# Altium PCB PROB_S7CAS_PCB.PcbDoc (part 4 of 6) (continued)
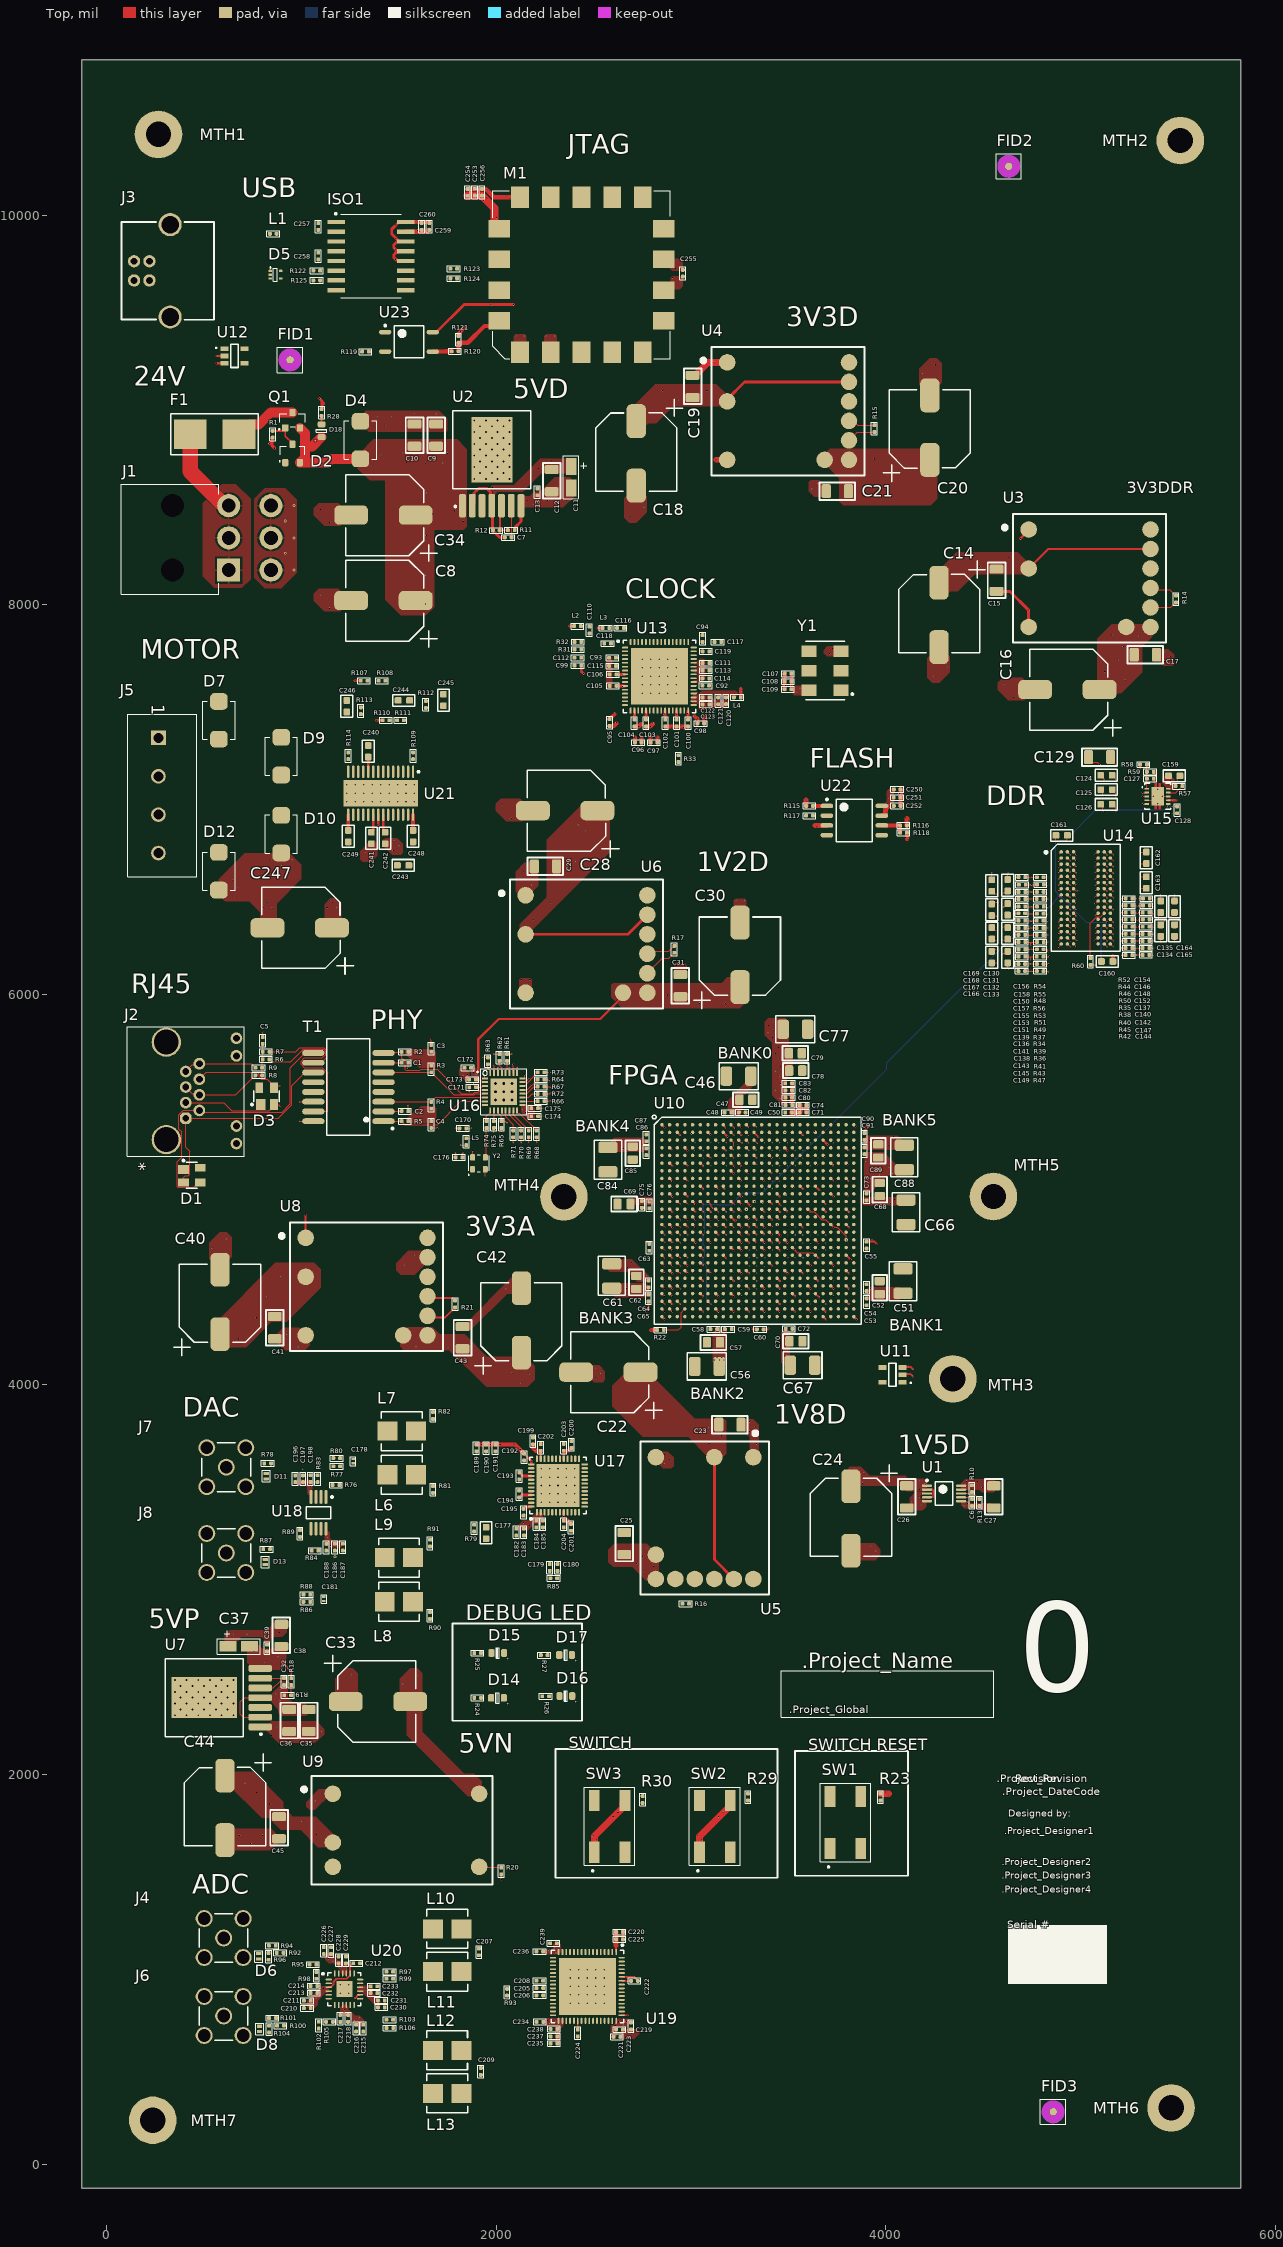
[diagram p0: Top view]
## Nets (pads, with @x,y where several pads share a name; then routed paths per layer and width w, separated by ;. In a path a pad name is that pad's centre, name@x,y a point inside that pad or via, vN(x,y) a via of type N, cw(c..) or ccw(c..) an arc to the next point about the centre after c; other vN are vias at no path point) (continued)
DDR3_DQ1: U10.Y1 U14.F7 | length 3851.6
  Top w4: U10.Y1@2850.68,4584.88 v1(2864.97,4570.63) ; v1(5073.92,6561.83) 5074.28,6561.83 5087.86,6575.41 U14.F7@5088.22,6575.41
  Data 4 w4: v1(2864.97,4570.63) 2864.97,4593.77 2832.68,4626.07 2832.68,4643.64 2804.5,4671.82 2804.5,5058.56 4214.3,6468.36 4215.72,6469.77 4215.72,6479.96 4211.76,6483.92 4211.76,6494.1 4218.54,6500.89 4228.73,6500.89 4246.83,6482.79 4257.01,6482.79 4263.8,6489.57 4263.8,6499.76 4245.7,6517.86 4245.7,6528.04 4252.48,6534.83 4262.67,6534.83 4280.77,6516.73 4290.95,6516.73 4297.74,6523.51 4297.74,6533.7 4279.64,6551.8 4279.64,6561.98 4286.43,6568.77 4296.61,6568.77 4314.71,6550.67 4324.89,6550.67 4331.68,6557.46 4331.68,6567.64 4313.58,6585.74 4313.58,6595.92 4320.37,6602.71 4330.55,6602.71 4348.65,6584.61 4358.83,6584.61 4365.62,6591.4 4365.62,6601.58 4347.52,6619.68 4347.52,6629.86 4354.31,6636.65 4364.49,6636.65 4368.45,6632.69 4378.63,6632.69 4392.24,6646.3 4401.58,6655.64 4753.7,6655.64 4762.87,6664.82 4989.89,6664.82 5038.38,6616.33 5075.13,6616.33 5089.42,6602.03 5089.42,6577.33 v1(5073.92,6561.83)
DDR3_DQ2: U10.W2 U14.F2 | length 3886.7
  Top w4: U10.W2@2890.05,4624.25 2890.05,4624.05 2903.91,4610.2 v1(2903.91,4610) ; U14.F2@4930.78,6575.41 v1@4945.03,6561.16
  Data 3 w4: v1(2903.91,4610) 2912.3,4601.6 3154.34,4601.6 3154.45,4601.5 3395.67,4601.5 3413.25,4619.08 3486.56,4619.08 3820.96,4953.48 3820.96,4969.46 3949.89,5098.39 4021.39,5098.39 4022.38,5099.38 4040.77,5117.77 4050.95,5117.77 4053.77,5114.94 4063.96,5114.94 4070.75,5121.73 4070.75,5131.91 4056.39,5146.27 4056.39,5156.45 4063.17,5163.24 4073.36,5163.24 4087.72,5148.88 4097.9,5148.88 4104.69,5155.67 4104.69,5165.85 4090.33,5180.21 4090.33,5190.4 4097.12,5197.18 4107.3,5197.18 4121.66,5182.83 4131.84,5182.83 4138.63,5189.61 4138.63,5199.8 4124.27,5214.15 4124.27,5224.34 4131.06,5231.13 4141.24,5231.13 4155.6,5216.77 4165.78,5216.77 4172.57,5223.55 4172.57,5233.74 4168.82,5237.49 4168.82,5247.67 4175.6,5254.46 4185.79,5254.46 4189.54,5250.71 4199.72,5250.71 4206.51,5257.5 4206.51,5267.68 4202.76,5271.43 4202.76,5281.61 4209.55,5288.4 4219.73,5288.4 4223.48,5284.65 4233.66,5284.65 4240.45,5291.44 4240.45,5301.62 4236.7,5305.37 4236.7,5315.55 4243.49,5322.34 4253.67,5322.34 4257.42,5318.59 4267.6,5318.59 4274.39,5325.38 4274.39,5335.56 4270.64,5339.31 4270.64,5349.49 4277.43,5356.28 4287.61,5356.28 4291.36,5352.53 4301.54,5352.53 4308.33,5359.32 4308.33,5369.5 4304.58,5373.25 4304.58,5383.44 4311.37,5390.22 4321.55,5390.22 4325.3,5386.47 4335.49,5386.47 4342.27,5393.26 4342.27,5403.44 4338.52,5407.19 4338.52,5417.38 4345.31,5424.17 4355.49,5424.17 4359.24,5420.41 4369.43,5420.41 4376.22,5427.2 4376.22,5437.38 4372.46,5441.14 4372.46,5451.32 4379.25,5458.11 4389.43,5458.11 4393.19,5454.35 4403.37,5454.35 4410.16,5461.14 4410.16,5471.32 4406.4,5475.08 4406.4,5485.26 4413.19,5492.05 4423.37,5492.05 4427.13,5488.29 4437.31,5488.29 4444.1,5495.08 4444.1,5505.27 4440.35,5509.02 4440.35,5519.2 4447.13,5525.99 4457.32,5525.99 4461.07,5522.24 4471.25,5522.24 4478.04,5529.02 4478.04,5539.21 4474.29,5542.96 4474.29,5553.14 4481.07,5559.93 4491.26,5559.93 4495.01,5556.18 4505.19,5556.18 4511.98,5562.97 4511.98,5573.15 4508.23,5576.9 4508.23,5587.08 4515.02,5593.87 4525.2,5593.87 4528.95,5590.12 4539.13,5590.12 4545.92,5596.91 4545.92,5607.09 4542.17,5610.84 4542.17,5621.02 4548.96,5627.81 4559.14,5627.81 4562.89,5624.06 4573.07,5624.06 4579.86,5630.85 4579.86,5641.03 4576.11,5644.78 4576.11,5654.96 4582.9,5661.75 4593.08,5661.75 4596.83,5658 4607.01,5658 4613.8,5664.79 4613.8,5674.97 4610.05,5678.72 4610.05,5688.91 4616.84,5695.69 4627.02,5695.69 4630.77,5691.94 4640.96,5691.94 4647.74,5698.73 4647.74,5708.91 4643.99,5712.66 4643.99,5722.85 4650.78,5729.64 4660.96,5729.64 4664.71,5725.88 4674.9,5725.88 4681.69,5732.67 4681.69,5742.85 4677.93,5746.61 4677.93,5756.79 4684.72,5763.58 4694.9,5763.58 4698.66,5759.82 4708.84,5759.82 4715.63,5766.61 4715.63,5776.79 4711.87,5780.55 4711.87,5790.73 4718.66,5797.52 4728.84,5797.52 4732.6,5793.77 4742.78,5793.77 4749.57,5800.55 4749.57,5810.74 4746.74,5813.56 4746.74,5823.74 4754.1,5831.1 5020,6097 5020,6486.22 4985.72,6520.5 4983.6,6520.5 4975.07,6529.04 4975.07,6536.09 4983.57,6544.59 4983.57,6545.99 4985.07,6547.49 4985.07,6564.68 4980.09,6569.66 4967.23,6569.66 4958.73,6561.16 v1(4945.07,6561.16)
DDR3_DQ3: U10.W1 U14.F8 | length 3883.4
  Top w4: U10.W1@2850.68,4624.25 v1(2865.01,4610) ; U14.F8@5119.76,6575.41 v1(5134.05,6561.16)
  Data 4 w4: v1(2865.01,4610) 2865.01,4625.95 2832.87,4658.1 2832.87,4673.24 2814.51,4691.6 2814.51,4883.63 2895.88,4965 2895.88,4983.18 3168.46,5255.76 3168.46,5354.11 4027.73,6213.38 4029.14,6214.79 4029.14,6224.98 4025.18,6228.94 4025.18,6239.12 4031.97,6245.91 4042.15,6245.91 4060.26,6227.81 4070.44,6227.81 4077.23,6234.59 4077.23,6244.78 4059.13,6262.88 4059.13,6273.06 4065.91,6279.85 4076.1,6279.85 4094.2,6261.75 4104.38,6261.75 4111.17,6268.53 4111.17,6278.72 4093.07,6296.82 4093.07,6307 4099.85,6313.79 4110.04,6313.79 4128.14,6295.69 4138.32,6295.69 4145.11,6302.48 4145.11,6312.66 4127.01,6330.76 4127.01,6340.94 4133.8,6347.73 4143.98,6347.73 4162.08,6329.63 4172.26,6329.63 4179.05,6336.42 4179.05,6346.6 4160.95,6364.7 4160.95,6374.88 4167.74,6381.67 4177.92,6381.67 4196.02,6363.57 4206.2,6363.57 4212.99,6370.36 4212.99,6380.54 4197.25,6396.28 4197.25,6406.46 4204.04,6413.25 4214.22,6413.25 4215.82,6411.65 4226,6411.65 4245.16,6430.81 4461.35,6647 4997.81,6647 5042.98,6601.83 5079.73,6601.83 5082.42,6599.13 5082.42,6589.81 5058.12,6565.51 5058.12,6562.2 5066.99,6553.33 5097.91,6553.33 5105.73,6561.16 v1(5134.05,6561.16)
DDR3_DQ4: U10.T3 U14.H3 | length 3862.8
  Top w4: U10.T3@2929.46,4742.36 v1@2943.71,4728.11 ; U14.H3@4962.24,6512.41 4962.24,6512.29 4976.4,6498.12 v1(4976.4,6498)
  Data 3 w4: v1(2943.75,4728.11) 3031.79,4640.08 3434.25,4640.08 3726.32,4932.15 3728.31,4932.15 4470.08,5673.92 4471.5,5675.34 4471.5,5685.52 4467.54,5689.48 4467.54,5699.66 4474.33,5706.45 4484.51,5706.45 4502.61,5688.35 4512.79,5688.35 4519.58,5695.14 4519.58,5705.32 4501.48,5723.42 4501.48,5733.6 4508.27,5740.39 4518.45,5740.39 4536.55,5722.29 4546.74,5722.29 4553.52,5729.08 4553.52,5739.26 4535.42,5757.36 4535.42,5767.55 4542.21,5774.33 4552.39,5774.33 4570.49,5756.23 4580.68,5756.23 4587.46,5763.02 4587.46,5773.2 4569.36,5791.3 4569.36,5801.49 4576.15,5808.28 4586.33,5808.28 4604.44,5790.17 4614.62,5790.17 4621.41,5796.96 4621.41,5807.14 4603.3,5825.25 4603.3,5835.43 4610.09,5842.22 4620.27,5842.22 4638.38,5824.11 4648.56,5824.11 4655.35,5830.9 4655.35,5841.09 4637.25,5859.19 4637.25,5869.37 4644.03,5876.16 4654.22,5876.16 4672.32,5858.06 4682.5,5858.06 4689.29,5864.84 4689.29,5875.03 4671.19,5893.13 4671.19,5903.31 4677.97,5910.1 4688.16,5910.1 4706.26,5892 4716.44,5892 4723.23,5898.79 4723.23,5908.97 4705.13,5927.07 4705.13,5937.25 4711.92,5944.04 4722.1,5944.04 4740.2,5925.94 4750.38,5925.94 4757.17,5932.73 4757.17,5942.91 4739.07,5961.01 4739.07,5971.19 4745.86,5977.98 4756.04,5977.98 4774.14,5959.88 4784.32,5959.88 4791.11,5966.67 4791.11,5976.85 4773.01,5994.95 4773.01,6005.13 4779.8,6011.92 4789.98,6011.92 4808.08,5993.82 4818.26,5993.82 4825.05,6000.61 4825.05,6010.79 4806.95,6028.89 4806.95,6039.08 4813.74,6045.86 4823.92,6045.86 4842.02,6027.76 4852.21,6027.76 4858.99,6034.55 4858.99,6044.73 4840.89,6062.83 4840.89,6073.02 4847.68,6079.8 4857.86,6079.8 4875.96,6061.7 4886.15,6061.7 4892.94,6068.49 4892.94,6078.67 4875.52,6096.09 4875.52,6106.27 4882.31,6113.06 4892.49,6113.06 4895.76,6109.79 4905.95,6109.79 4923.33,6127.17 4935.89,6139.73 4935.89,6143.97 4999,6207.07 4999,6456.25 4976.57,6478.69 4976.57,6497.84 v1(4976.4,6498)
DDR3_DQ5: U10.T1 U14.H8 | length 3819
  Top w4: U10.T1@2850.68,4742.36 2852.44,4742.36 2864.2,4730.6 v1(2865.01,4730.6) ; U14.H8@5119.76,6512.41 v1(5134.05,6498.16)
  Data 4 w4: v1(2865.01,4730.6) 2865.01,4748 2835.51,4777.5 2835.51,4838.68 3087.77,5090.94 3112.26,5090.94 3174,5152.68 3183.49,5152.68 3196.84,5166.03 3196.84,5170.5 3248.19,5221.85 3248.19,5236.44 3282.54,5270.79 3308.22,5270.79 3920.96,5883.52 3922.37,5884.94 3922.37,5895.12 3918.41,5899.08 3918.41,5909.26 3925.2,5916.05 3935.38,5916.05 3953.48,5897.95 3963.67,5897.95 3970.45,5904.74 3970.45,5914.92 3952.35,5933.02 3952.35,5943.2 3959.14,5949.99 3969.32,5949.99 3987.42,5931.89 3997.61,5931.89 4004.39,5938.68 4004.39,5948.86 3986.29,5966.96 3986.29,5977.15 3993.08,5983.93 4003.26,5983.93 4021.37,5965.83 4031.55,5965.83 4038.34,5972.62 4038.34,5982.8 4020.23,6000.9 4020.23,6011.09 4027.02,6017.87 4037.2,6017.87 4055.31,5999.77 4065.49,5999.77 4072.28,6006.56 4072.28,6016.74 4054.17,6034.85 4054.17,6045.03 4060.96,6051.82 4071.15,6051.82 4089.25,6033.71 4099.43,6033.71 4106.22,6040.5 4106.22,6050.68 4088.12,6068.79 4088.12,6078.97 4094.9,6085.76 4105.09,6085.76 4123.19,6067.66 4133.37,6067.66 4140.16,6074.44 4140.16,6084.63 4122.06,6102.73 4122.06,6112.91 4128.85,6119.7 4139.03,6119.7 4157.13,6101.6 4167.31,6101.6 4174.1,6108.38 4174.1,6118.57 4156,6136.67 4156,6146.85 4162.79,6153.64 4172.97,6153.64 4191.07,6135.54 4201.25,6135.54 4208.04,6142.33 4208.04,6152.51 4189.94,6170.61 4189.94,6180.79 4196.73,6187.58 4206.91,6187.58 4225.01,6169.48 4235.19,6169.48 4241.98,6176.27 4241.98,6186.45 4238.02,6190.41 4238.02,6200.59 4255.35,6217.91 4648.76,6611.33 4854.92,6611.33 4882.1,6584.15 4975.64,6584.15 5072.15,6487.64 5123.53,6487.64 v1(5134.05,6498.16)
DDR3_DQ6: U10.U2 U14.G2 | length 3882.7
  Top w4: U10.U2@2890.05,4702.99 2890.05,4702.79 2903.91,4688.94 v1(2903.91,4688.74) ; U14.G2@4930.78,6543.91 v1@4945.03,6529.66
  Data 3 w4: v1(2903.91,4688.74) 2934.44,4658.21 2963.21,4658.21 2988.34,4633.08 3456.99,4633.08 3936.3,5112.39 3967.69,5112.39 4357.63,5502.33 4359.04,5503.74 4359.04,5513.92 4358.62,5514.35 4358.62,5524.53 4365.41,5531.32 4375.59,5531.32 4386.62,5520.29 4396.8,5520.29 4403.59,5527.08 4403.59,5537.26 4392.56,5548.29 4392.56,5558.47 4399.35,5565.26 4409.53,5565.26 4420.56,5554.23 4430.74,5554.23 4437.53,5561.02 4437.53,5571.2 4426.5,5582.23 4426.5,5592.41 4433.29,5599.2 4443.47,5599.2 4454.5,5588.17 4464.68,5588.17 4471.47,5594.96 4471.47,5605.14 4460.44,5616.17 4460.44,5626.35 4467.23,5633.14 4477.41,5633.14 4488.44,5622.11 4498.63,5622.11 4505.41,5628.9 4505.41,5639.08 4494.38,5650.11 4494.38,5660.3 4501.17,5667.08 4511.35,5667.08 4522.38,5656.05 4532.57,5656.05 4539.35,5662.84 4539.35,5673.02 4528.45,5683.93 4528.45,5694.11 4535.24,5700.9 4545.42,5700.9 4556.33,5689.99 4566.51,5689.99 4573.3,5696.78 4573.3,5706.96 4562.39,5717.87 4562.39,5728.05 4569.18,5734.84 4579.36,5734.84 4590.27,5723.93 4600.45,5723.93 4607.24,5730.72 4607.24,5740.91 4596.33,5751.81 4596.33,5761.99 4603.12,5768.78 4613.3,5768.78 4624.21,5757.88 4634.39,5757.88 4641.18,5764.66 4641.18,5774.85 4630.28,5785.75 4630.28,5795.93 4637.06,5802.72 4647.25,5802.72 4658.15,5791.82 4668.33,5791.82 4675.12,5798.61 4675.12,5808.79 4664.22,5819.69 4664.22,5829.87 4671,5836.66 4681.19,5836.66 4692.09,5825.76 4702.27,5825.76 4709.06,5832.55 4709.06,5842.73 4698.16,5853.63 4698.16,5863.81 4704.95,5870.6 4715.13,5870.6 4726.03,5859.7 4736.21,5859.7 4743,5866.49 4743,5876.67 4732.1,5887.57 4732.1,5897.75 4738.89,5904.54 4749.07,5904.54 4759.97,5893.64 4770.15,5893.64 4776.94,5900.43 4776.94,5910.61 4766.04,5921.51 4766.04,5931.7 4772.83,5938.48 4783.01,5938.48 4793.91,5927.58 4804.1,5927.58 4810.88,5934.37 4810.88,5944.55 4799.98,5955.45 4799.98,5965.64 4806.77,5972.43 4816.95,5972.43 4827.85,5961.52 4838.04,5961.52 4844.82,5968.31 4844.82,5978.49 4833.92,5989.4 4833.92,5999.58 4840.71,6006.37 4850.89,6006.37 4861.8,5995.46 4871.98,5995.46 4878.77,6002.25 4878.77,6012.43 4867.86,6023.34 4867.86,6033.52 4874.65,6040.31 4884.83,6040.31 4895.74,6029.4 4905.92,6029.4 4912.71,6036.19 4912.71,6046.38 4912.28,6046.8 4912.28,6056.98 4915.39,6060.08 5006,6150.7 5006,6466.2 4994.96,6477.24 4994.96,6491.46 4979.93,6506.5 4968.23,6506.5 v1(4945.07,6529.66)
DDR3_DQ7: U10.U1 U14.H7 | length 3858.3
  Top w4: U10.U1@2850.68,4702.99 2850.82,4702.99 2864.87,4688.94 v1(2865.01,4688.94) ; v1(5073.92,6498.84) 5074.28,6498.84 5087.86,6512.41 U14.H7@5088.22,6512.41
  Data 4 w4: v1(2865.01,4688.94) 2865.01,4718.57 2828.51,4755.07 2828.51,4861.2 3714.24,5746.92 3717.32,5746.92 4240.92,6270.52 4242.34,6271.93 4242.34,6282.12 4238.38,6286.08 4238.38,6296.26 4245.16,6303.05 4255.35,6303.05 4273.45,6284.94 4283.63,6284.94 4290.42,6291.73 4290.42,6301.91 4272.32,6320.02 4272.32,6330.2 4279.1,6336.99 4289.29,6336.99 4307.39,6318.88 4317.57,6318.88 4324.36,6325.67 4324.36,6335.86 4306.26,6353.96 4306.26,6364.14 4313.05,6370.93 4323.23,6370.93 4341.33,6352.83 4351.51,6352.83 4358.3,6359.61 4358.3,6369.8 4340.2,6387.9 4340.2,6398.08 4346.99,6404.87 4357.17,6404.87 4375.27,6386.77 4385.45,6386.77 4392.24,6393.56 4392.24,6403.74 4374.14,6421.84 4374.14,6432.02 4380.93,6438.81 4391.11,6438.81 4409.21,6420.71 4419.4,6420.71 4426.18,6427.5 4426.18,6437.68 4408.08,6455.78 4408.08,6465.96 4414.87,6472.75 4425.05,6472.75 4443.15,6454.65 4453.34,6454.65 4460.12,6461.44 4460.12,6471.62 4442.02,6489.72 4442.02,6499.9 4448.81,6506.69 4458.99,6506.69 4477.09,6488.59 4487.28,6488.59 4494.07,6495.38 4494.07,6505.56 4475.96,6523.66 4475.96,6533.85 4482.75,6540.63 4492.93,6540.63 4511.04,6522.53 4521.22,6522.53 4528.01,6529.32 4528.01,6539.5 4509.9,6557.6 4509.9,6567.79 4516.69,6574.57 4526.88,6574.57 4544.98,6556.47 4555.16,6556.47 4561.95,6563.26 4561.95,6573.44 4543.85,6591.55 4543.85,6601.73 4550.63,6608.52 4560.82,6608.52 4564.78,6604.56 4574.96,6604.56 4581.73,6611.33 4603.05,6632.65 4843.51,6632.65 4860.51,6615.65 4965.59,6615.65 5026.72,6554.52 5026.72,6546.05 v1(5073.92,6498.84)
DDR3_DQ8: U10.AA2 U14.D7 | length 3881.5
  Top w4: U10.AA2@2890.05,4545.51 2901.07,4534.49 2903.33,4534.49 v1(2903.91,4533.92) ; v1(5073.92,6624.83) 5074.28,6624.83 5087.86,6638.4 U14.D7@5088.22,6638.4
  Data 4 w4: v1(2903.91,4533.92) 2889.67,4533.92 2820,4603.58 2820,4646.42 2797.18,4669.24 2797.18,4938.43 2797.5,4938.75 2797.5,5061.46 3185.46,5449.42 3185.46,5490.62 3987.24,6292.4 3988.65,6293.81 3988.65,6304 3984.7,6307.96 3984.7,6318.14 3991.48,6324.93 4001.67,6324.93 4019.77,6306.83 4029.95,6306.83 4036.74,6313.61 4036.74,6323.8 4018.64,6341.9 4018.64,6352.08 4025.42,6358.87 4035.61,6358.87 4053.71,6340.77 4063.89,6340.77 4070.68,6347.55 4070.68,6357.74 4052.58,6375.84 4052.58,6386.02 4059.37,6392.81 4069.55,6392.81 4087.65,6374.71 4097.83,6374.71 4104.62,6381.5 4104.62,6391.68 4086.52,6409.78 4086.52,6419.96 4093.31,6426.75 4103.49,6426.75 4121.59,6408.65 4131.77,6408.65 4138.56,6415.44 4138.56,6425.62 4120.46,6443.72 4120.46,6453.9 4127.25,6460.69 4137.43,6460.69 4141.39,6456.73 4151.57,6456.73 4183.43,6488.59 4366.66,6671.82 5026.93,6671.82 v1(5073.92,6624.83)
DDR3_DQ9: U10.AA1 U14.C3 | length 3906.4
  Top w4: U10.AA1@2850.68,4545.51 2861.7,4534.49 2864.44,4534.49 v1(2865.01,4533.92) ; U14.C3@4962.28,6669.89 v1@4976.53,6655.64
  Data 3 w4: v1(2865.01,4533.92) 2879.77,4533.92 2930.29,4483.39 3521.19,4483.39 3722.65,4684.86 3722.65,4692.26 3727.63,4697.24 3764.48,4697.24 4818.25,5751.01 4819.66,5752.43 4819.66,5762.61 4815.7,5766.57 4815.7,5776.75 4822.49,5783.54 4832.67,5783.54 4850.77,5765.44 4860.96,5765.44 4867.74,5772.23 4867.74,5782.41 4849.64,5800.51 4849.64,5810.69 4856.43,5817.48 4866.61,5817.48 4884.71,5799.38 4894.9,5799.38 4901.68,5806.17 4901.68,5816.35 4883.58,5834.45 4883.58,5844.63 4890.37,5851.42 4900.55,5851.42 4918.65,5833.32 4928.84,5833.32 4935.63,5840.11 4935.63,5850.29 4917.52,5868.39 4917.52,5878.57 4924.31,5885.36 4934.49,5885.36 4952.6,5867.26 4962.78,5867.26 4969.57,5874.05 4969.57,5884.23 4951.46,5902.33 4951.46,5912.52 4958.25,5919.3 4968.44,5919.3 4986.54,5901.2 4996.72,5901.2 5003.51,5907.99 5003.51,5918.17 4987.07,5934.61 4987.07,5944.79 4993.86,5951.58 5004.05,5951.58 5006.34,5949.28 5016.52,5949.28 5042.3,5975.07 5048,5980.77 5048,6584.21 v1(4976.57,6655.64)
DDR3_DQ10: U10.AE2 U14.C8 | length 3854.5
  Top w4: U10.AE2@2890.05,4388.03 v1(2904.3,4373.78) ; U14.C8@5119.76,6669.89 v1(5134.05,6655.64)
  Data 3 w4: v1(2904.3,4373.78) 2904.3,4391.4 2895.84,4399.86 2895.84,4416.67 2909.19,4430.02 3263.54,4430.02 3270.54,4437.02 3624.89,4437.02 3770.51,4582.64 3774.11,4582.64 3842.34,4650.87 3861.51,4650.87 3938.9,4728.26 3975.49,4728.26 5107.11,5859.88 5108.53,5861.3 5108.53,5871.48 5104.57,5875.44 5104.57,5885.62 5111.36,5892.41 5121.54,5892.41 5139.64,5874.31 5149.82,5874.31 5156.61,5881.1 5156.61,5891.28 5152.65,5895.24 5152.65,5905.42 5162.45,5915.22 5210,5962.77 5210,6097.82 5214.29,6102.12 5216.29,6104.12 5216.29,6114.3 5209.09,6121.5 5205.7,6121.5 5198.5,6128.7 5198.5,6138.3 5205.7,6145.5 5211.3,6145.5 5218.5,6152.7 5218.5,6161.39 5218.5,6583.21 5161.57,6640.14 5149.55,6640.14 v1(5134.05,6655.64)
DDR3_DQ11: U10.AE1 U14.C2 | length 3862.8
  Top w4: U10.AE1@2850.68,4388.03 v1(2865.01,4373.78) ; U14.C2@4930.78,6669.89 v1@4945.03,6655.64
  Data 3 w4: v1(2865.01,4373.78) 2865.01,4401.09 2813,4453.1 2813,5300.38 4262.62,6750 4957.22,6750 4985.07,6722.16 4985.07,6683.62 4971.37,6669.92 4959.34,6669.92 v1(4945.07,6655.64)
DDR3_DQ12: U10.AD3 U14.A7 | length 3906.3
  Top w4: U10.AD3@2929.46,4427.4 v1@2943.71,4413.15 ; v1(5073.92,6719.31) 5074.28,6719.31 5087.86,6732.89 U14.A7@5088.22,6732.89
  Data 3 w4: v1(2943.75,4413.15) 2952.25,4404.65 3435.04,4404.65 3460.41,4430.02 3627.79,4430.02 3720.53,4522.76 3813.43,4522.76 5230,5939.33 5230,6385.34 5230,6411.34 5237.2,6418.54 5242.49,6418.54 5249.69,6425.74 5249.69,6435.34 5242.49,6442.54 5232.7,6442.54 5225.5,6449.74 5225.5,6459.34 5232.7,6466.54 5242.49,6466.54 5249.69,6473.74 5249.69,6483.34 5242.49,6490.54 5232.7,6490.54 5225.5,6497.74 5225.5,6507.34 5232.7,6514.54 5242.38,6514.54 5249.58,6521.74 5249.58,6531.34 5242.38,6538.54 5237.2,6538.54 5230,6545.74 5230,6559.19 5230,6581.61 5164.47,6647.14 5162.02,6647.14 5089.85,6719.31 v1(5073.92,6719.31)
DDR3_DQ13: U10.AD1 U14.A2 | length 3906.2
  Top w4: U10.AD1@2850.68,4427.4 v1(2864.97,4413.15) ; U14.A2@4930.78,6732.89 v1@4945.03,6718.64
  Data 3 w4: v1(2864.97,4413.15) 2820,4458.12 2820,5203.96 4155.38,6539.33 4156.79,6540.75 4156.79,6550.93 4152.83,6554.89 4152.83,6565.07 4159.62,6571.86 4169.8,6571.86 4187.9,6553.76 4198.09,6553.76 4204.87,6560.55 4204.87,6570.73 4186.77,6588.83 4186.77,6599.02 4193.56,6605.8 4203.74,6605.8 4221.85,6587.7 4232.03,6587.7 4238.82,6594.49 4238.82,6604.67 4220.71,6622.77 4220.71,6632.96 4227.5,6639.74 4237.68,6639.74 4255.79,6621.64 4265.97,6621.64 4272.76,6628.43 4272.76,6638.61 4254.65,6656.71 4254.65,6666.9 4261.44,6673.69 4271.63,6673.69 4289.73,6655.58 4299.91,6655.58 4306.7,6662.37 4306.7,6672.55 4288.6,6690.66 4288.6,6700.84 4295.38,6707.63 4305.57,6707.63 4319.8,6693.4 4329.98,6693.4 4336.77,6700.19 4336.77,6710.37 4336.68,6710.46 4336.68,6720.64 4343.85,6727.81 4935.89,6727.81 v1(4945.07,6718.64)
DDR3_DQ14: U10.AB3 U14.B8 | length 3793.5
  Top w4: U10.AB3@2929.46,4506.14 v1@2943.71,4491.89 ; U14.B8@5119.76,6701.39 v1(5134.05,6687.14)
  Data 4 w4: v1(2943.75,4491.89) 2916.4,4491.89 2896.86,4511.43 2875.48,4511.43 2820,4566.91 2820,4577.75 2784.93,4612.82 2784.93,4831.38 2780.5,4835.8 2780.5,5054.36 3009.92,5283.77 3009.92,5393.87 4294.86,6678.82 5076.95,6678.82 5085.27,6687.14 v1(5134.05,6687.14)
DDR3_DQ15: U10.AB1 U14.A3 | length 3903.8
  Top w4: U10.AB1@2850.68,4506.14 v1(2865.01,4491.89) ; U14.A3@4962.28,6732.89 v1@4976.53,6718.64
  Data 3 w4: v1(2865.01,4491.89) 2837.45,4491.89 2832.87,4496.48 2832.87,5123.69 2992.92,5283.74 2992.92,5290.82 4334.75,6632.65 4430,6632.65 4432,6632.65 4439.2,6639.85 4439.2,6645.45 4446.4,6652.65 4456,6652.65 4463.2,6645.45 4463.2,6619.85 4470.4,6612.65 4480,6612.65 4487.2,6619.85 4487.2,6645.45 4494.4,6652.65 4504,6652.65 4511.2,6645.45 4511.2,6635.56 4518.4,6628.36 4528,6628.36 4535.2,6635.56 4535.2,6645.45 4542.4,6652.65 4552,6652.65 4559.2,6645.45 4559.2,6619.85 4566.4,6612.65 4576,6612.65 4583.2,6619.85 4583.2,6645.45 4590.4,6652.65 4600,6652.65 4607.2,6645.45 4607.2,6639.85 4614.4,6632.65 4624,6632.65 4631.2,6639.85 4631.2,6645.45 4638.4,6652.65 4648,6652.65 4655.2,6645.45 4655.2,6619.85 4662.4,6612.65 4672,6612.65 4679.2,6619.85 4679.2,6645.45 4686.4,6652.65 4696,6652.65 4703.2,6645.45 4703.2,6619.85 4710.4,6612.65 4720,6612.65 4727.2,6619.85 4727.2,6645.45 4734.4,6652.65 4744,6652.65 4751.2,6645.45 4751.2,6619.85 4758.4,6612.65 4768,6612.65 4775.2,6619.85 4775.2,6645.45 4782.4,6652.65 4792,6652.65 4799.2,6645.45 4799.2,6639.85 4806.4,6632.65 4810.3,6632.65 4887.79,6710.14 4954.4,6710.14 4962.9,6718.64 v1(4976.57,6718.64)
DDR3_LDM: U10.W3 U14.E7 | length 3847
  Top w4: U10.W3@2929.42,4624.25 2929.51,4624.25 2943.66,4610.1 v1(2943.75,4610.1) ; v1(5073.92,6593.33) 5074.28,6593.33 5087.86,6606.9 U14.E7@5088.22,6606.9
  Data 4 w4: v1(2943.75,4610.1) 2926.47,4610.1 2856.33,4680.24 2839.87,4680.24 2821.51,4698.6 2821.51,4864.09 3233.03,5275.61 3233.03,5306.03 3340.76,5413.76 3340.76,5454.43 4273.59,6387.26 4275.01,6388.68 4275.01,6398.86 4271.05,6402.82 4271.05,6413 4277.83,6419.79 4288.02,6419.79 4306.12,6401.69 4316.3,6401.69 4323.09,6408.48 4323.09,6418.66 4304.99,6436.76 4304.99,6446.94 4311.78,6453.73 4321.96,6453.73 4340.06,6435.63 4350.24,6435.63 4357.03,6442.42 4357.03,6452.6 4338.93,6470.7 4338.93,6480.88 4345.72,6487.67 4355.9,6487.67 4374,6469.57 4384.18,6469.57 4390.97,6476.36 4390.97,6486.54 4372.87,6504.64 4372.87,6514.83 4379.66,6521.61 4389.84,6521.61 4407.94,6503.51 4418.12,6503.51 4424.91,6510.3 4424.91,6520.48 4406.81,6538.58 4406.81,6548.77 4413.6,6555.56 4423.78,6555.56 4441.88,6537.45 4452.07,6537.45 4458.85,6544.24 4458.85,6554.42 4440.75,6572.53 4440.75,6582.71 4447.54,6589.5 4457.72,6589.5 4475.82,6571.39 4486.01,6571.39 4492.8,6578.18 4492.8,6588.37 4474.69,6606.47 4474.69,6616.65 4481.48,6623.44 4491.66,6623.44 4509.77,6605.34 4519.95,6605.34 4526.74,6612.12 4526.74,6622.31 4522.78,6626.27 4522.78,6636.45 4526.33,6640 4846.05,6640 4863.4,6622.65 4968.49,6622.65 4997.81,6593.33 v1(5073.92,6593.33)
DDR3_LDQS_N: U10.V1 U14.G3 | length 3852.4
  Top w4: U10.V1@2850.68,4663.62 2850.68,4662.93 2863.56,4650.06 v1(2863.56,4649.37) ; U14.G3@4962.24,6543.91 4973.58,6532.56 v1(4983.57,6532.56)
  Data 3 w4: v1(2863.56,4649.37) 2863.56,4638.33 2907.28,4594.6 2931.8,4594.6 2964.27,4562.13 3521.05,4562.13 3643.91,4685 3643.91,4692.26 3688.26,4736.61 3695.53,4736.61 3712.17,4753.25 3712.17,4763.44 3708.21,4767.39 3708.21,4777.58 3714.99,4784.37 3725.18,4784.37 3738.9,4770.64 3749.09,4770.64 3755.87,4777.43 3755.87,4787.61 3744.75,4798.74 3744.75,4808.92 3751.53,4815.71 3761.72,4815.71 3772.85,4804.58 3783.03,4804.58 3789.82,4811.37 3789.82,4821.55 3776.09,4835.28 3776.09,4845.46 3782.88,4852.25 3793.06,4852.25 3806.79,4838.52 3816.97,4838.52 3823.76,4845.31 3823.76,4855.49 3812.88,4866.37 3812.88,4876.55 3819.67,4883.34 3829.85,4883.34 3840.73,4872.46 3850.91,4872.46 3857.7,4879.25 3857.7,4889.43 3843.97,4903.16 3843.97,4913.34 3850.76,4920.13 3860.94,4920.13 3864.9,4916.17 3875.08,4916.17 3915.81,4956.9 3915.81,4967.08 3911.85,4971.04 3911.85,4981.22 3918.64,4988.01 3928.82,4988.01 3932.78,4984.05 3942.97,4984.05 3949.75,4990.84 3949.75,5001.02 3945.79,5004.98 3945.79,5015.17 3952.58,5021.95 3962.76,5021.95 3966.72,5017.99 3976.91,5017.99 3983.7,5024.78 3983.7,5034.96 3979.74,5038.92 3979.74,5049.11 3986.52,5055.89 3996.71,5055.89 4000.67,5051.93 4010.85,5051.93 4063.17,5104.26 4769.65,5810.74 4771.06,5812.15 4771.06,5822.33 4768.24,5825.16 4768.24,5835.34 4775.03,5842.13 4785.21,5842.13 4797.8,5829.54 4807.98,5829.54 4814.77,5836.32 4814.77,5846.51 4802.18,5859.1 4802.18,5869.28 4808.97,5876.07 4819.15,5876.07 4831.74,5863.48 4841.93,5863.48 4848.71,5870.27 4848.71,5880.45 4836.12,5893.04 4836.12,5903.22 4842.91,5910.01 4853.09,5910.01 4865.68,5897.42 4875.87,5897.42 4882.65,5904.21 4882.65,5914.39 4870.06,5926.98 4870.06,5937.16 4876.85,5943.95 4887.03,5943.95 4899.62,5931.36 4909.81,5931.36 4916.6,5938.15 4916.6,5948.33 4904,5960.92 4904,5971.1 4910.79,5977.89 4920.97,5977.89 4923.8,5975.07 4933.98,5975.07 4938.65,5979.74 5027,6068.09 5027,6489.12 v1(4983.57,6532.56)